# Altium PCB PCB1.PcbDoc (part 1 of 2)
Units mm, origin at the board's own origin, x right, y up, seen from the top; angles counter-clockwise.
Board outline 105 x 80 mm, 4 copper layers (Top Layer, IN1, IN2, Bottom Layer), stack 1.52 mm thick; 193 components, 166 nets, 814 pads, 414 vias.
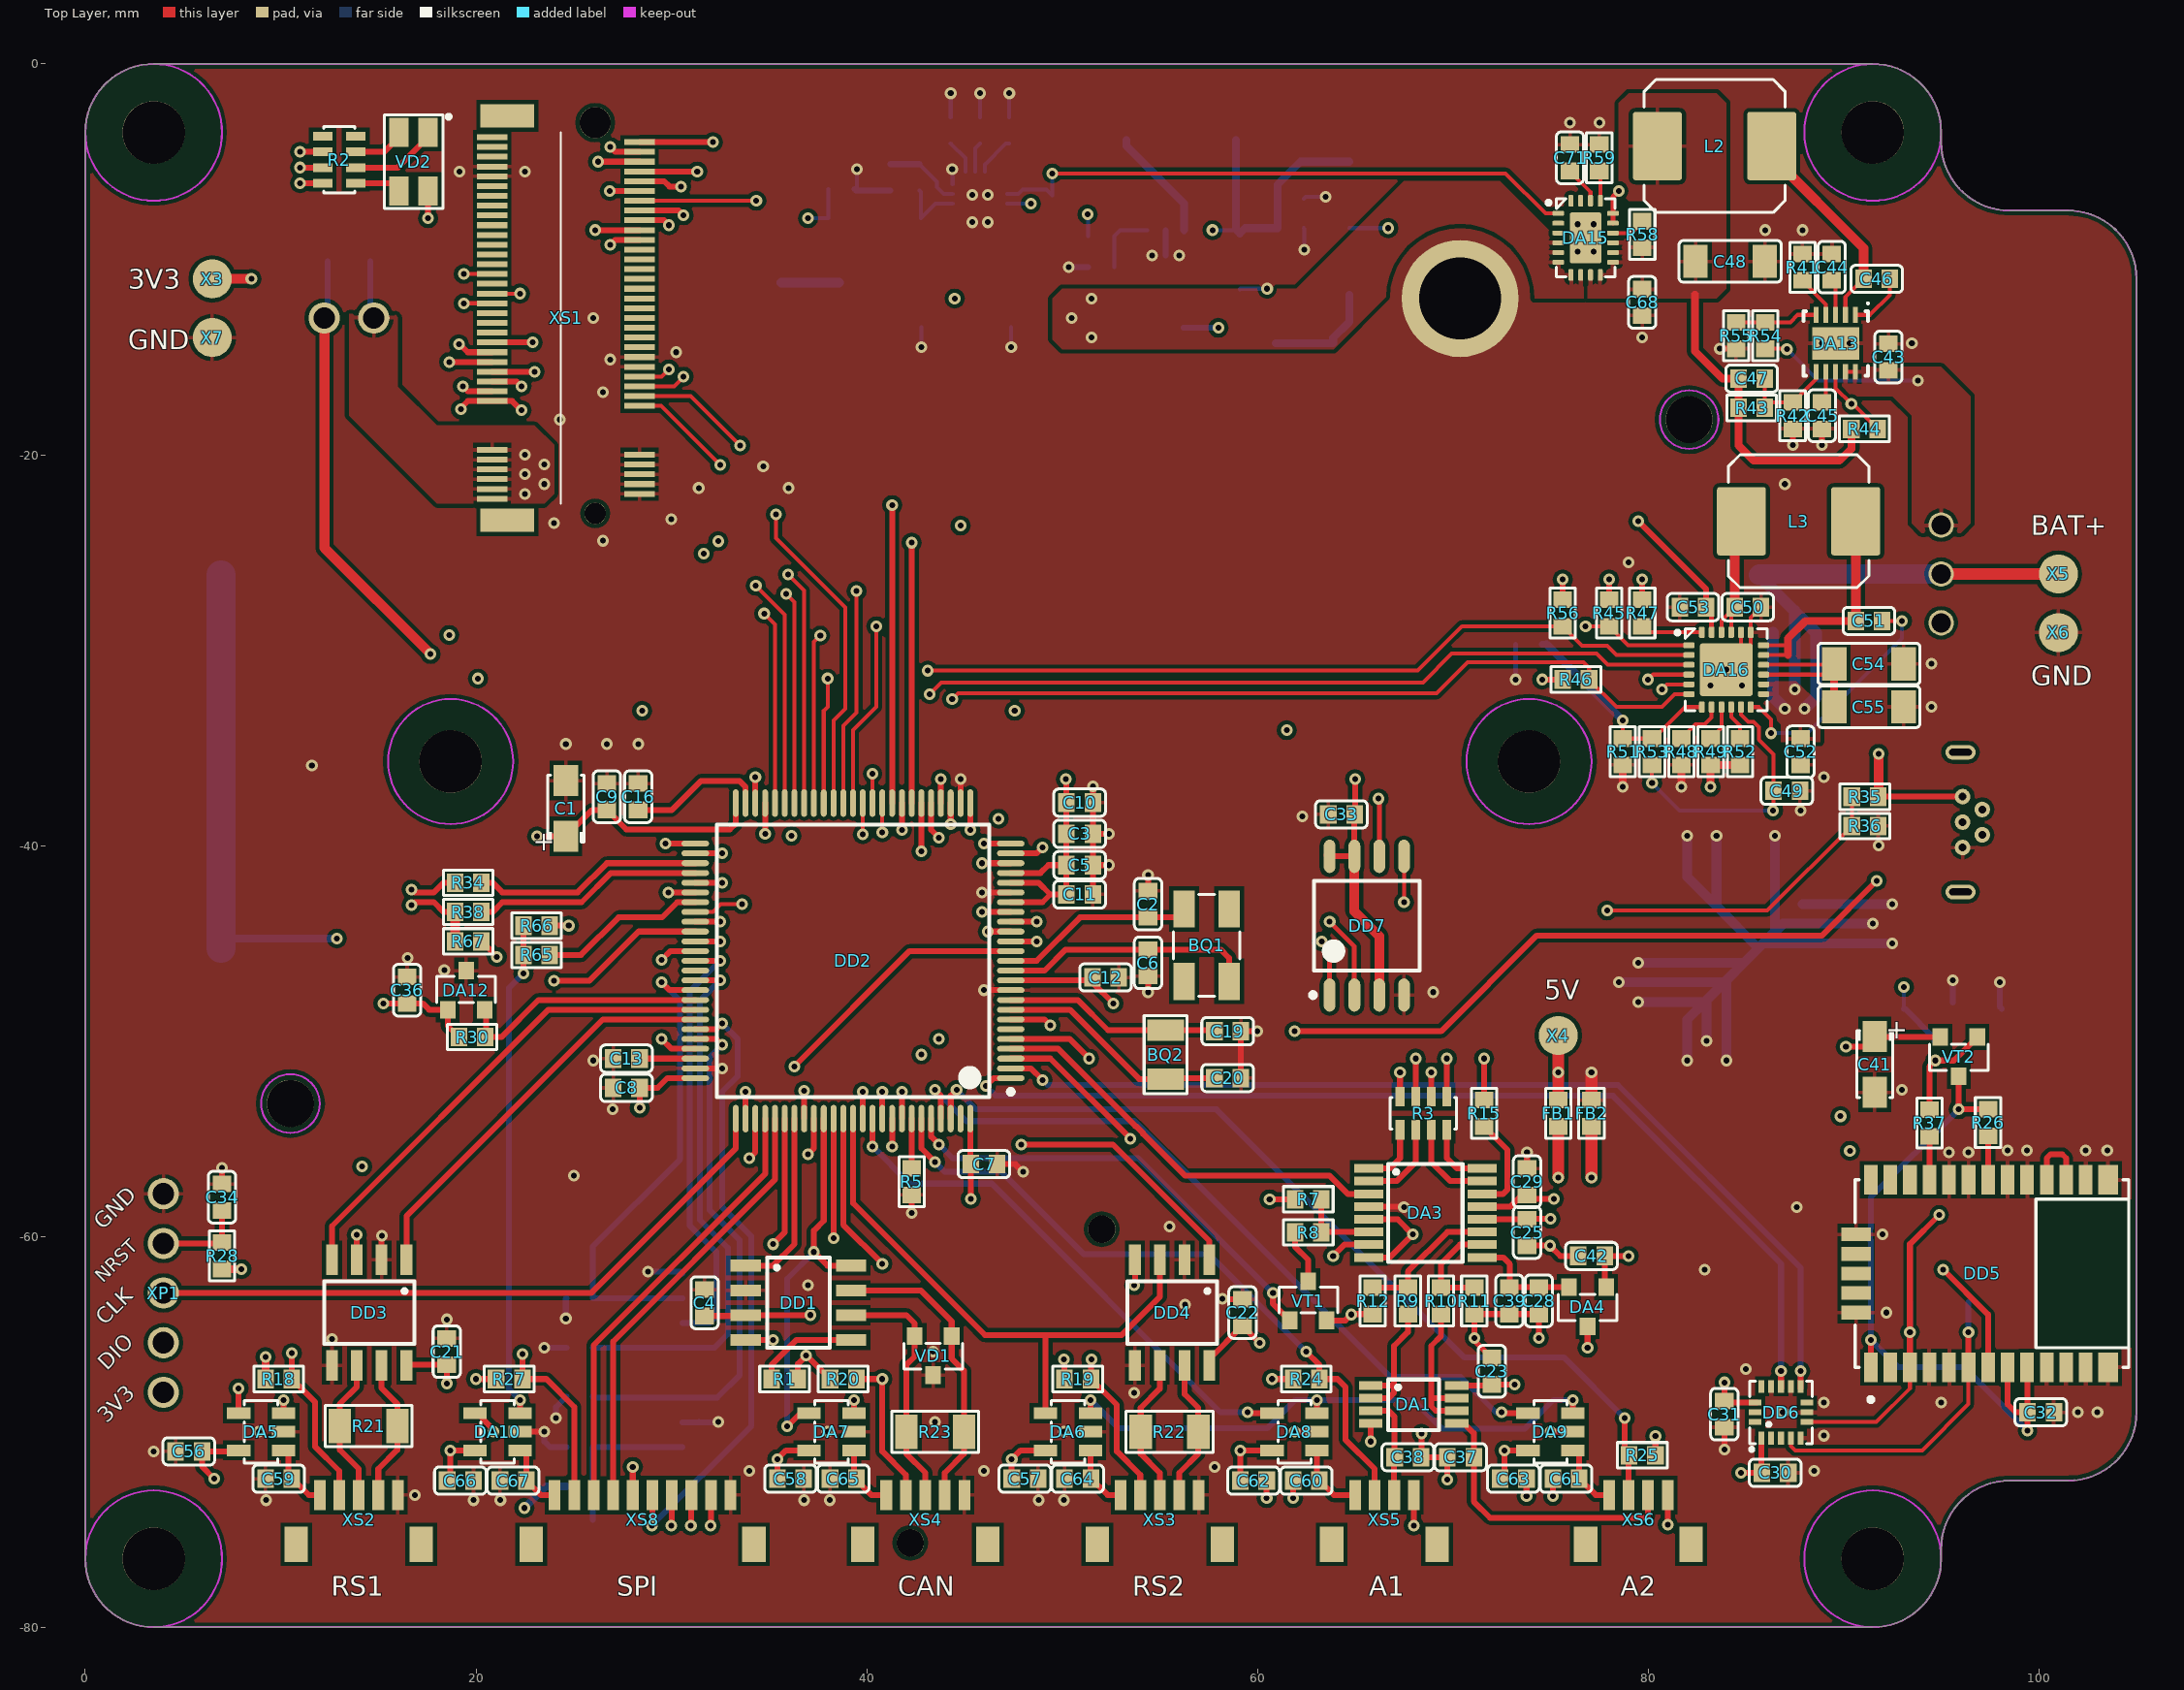
[diagram p0: Top Layer view]
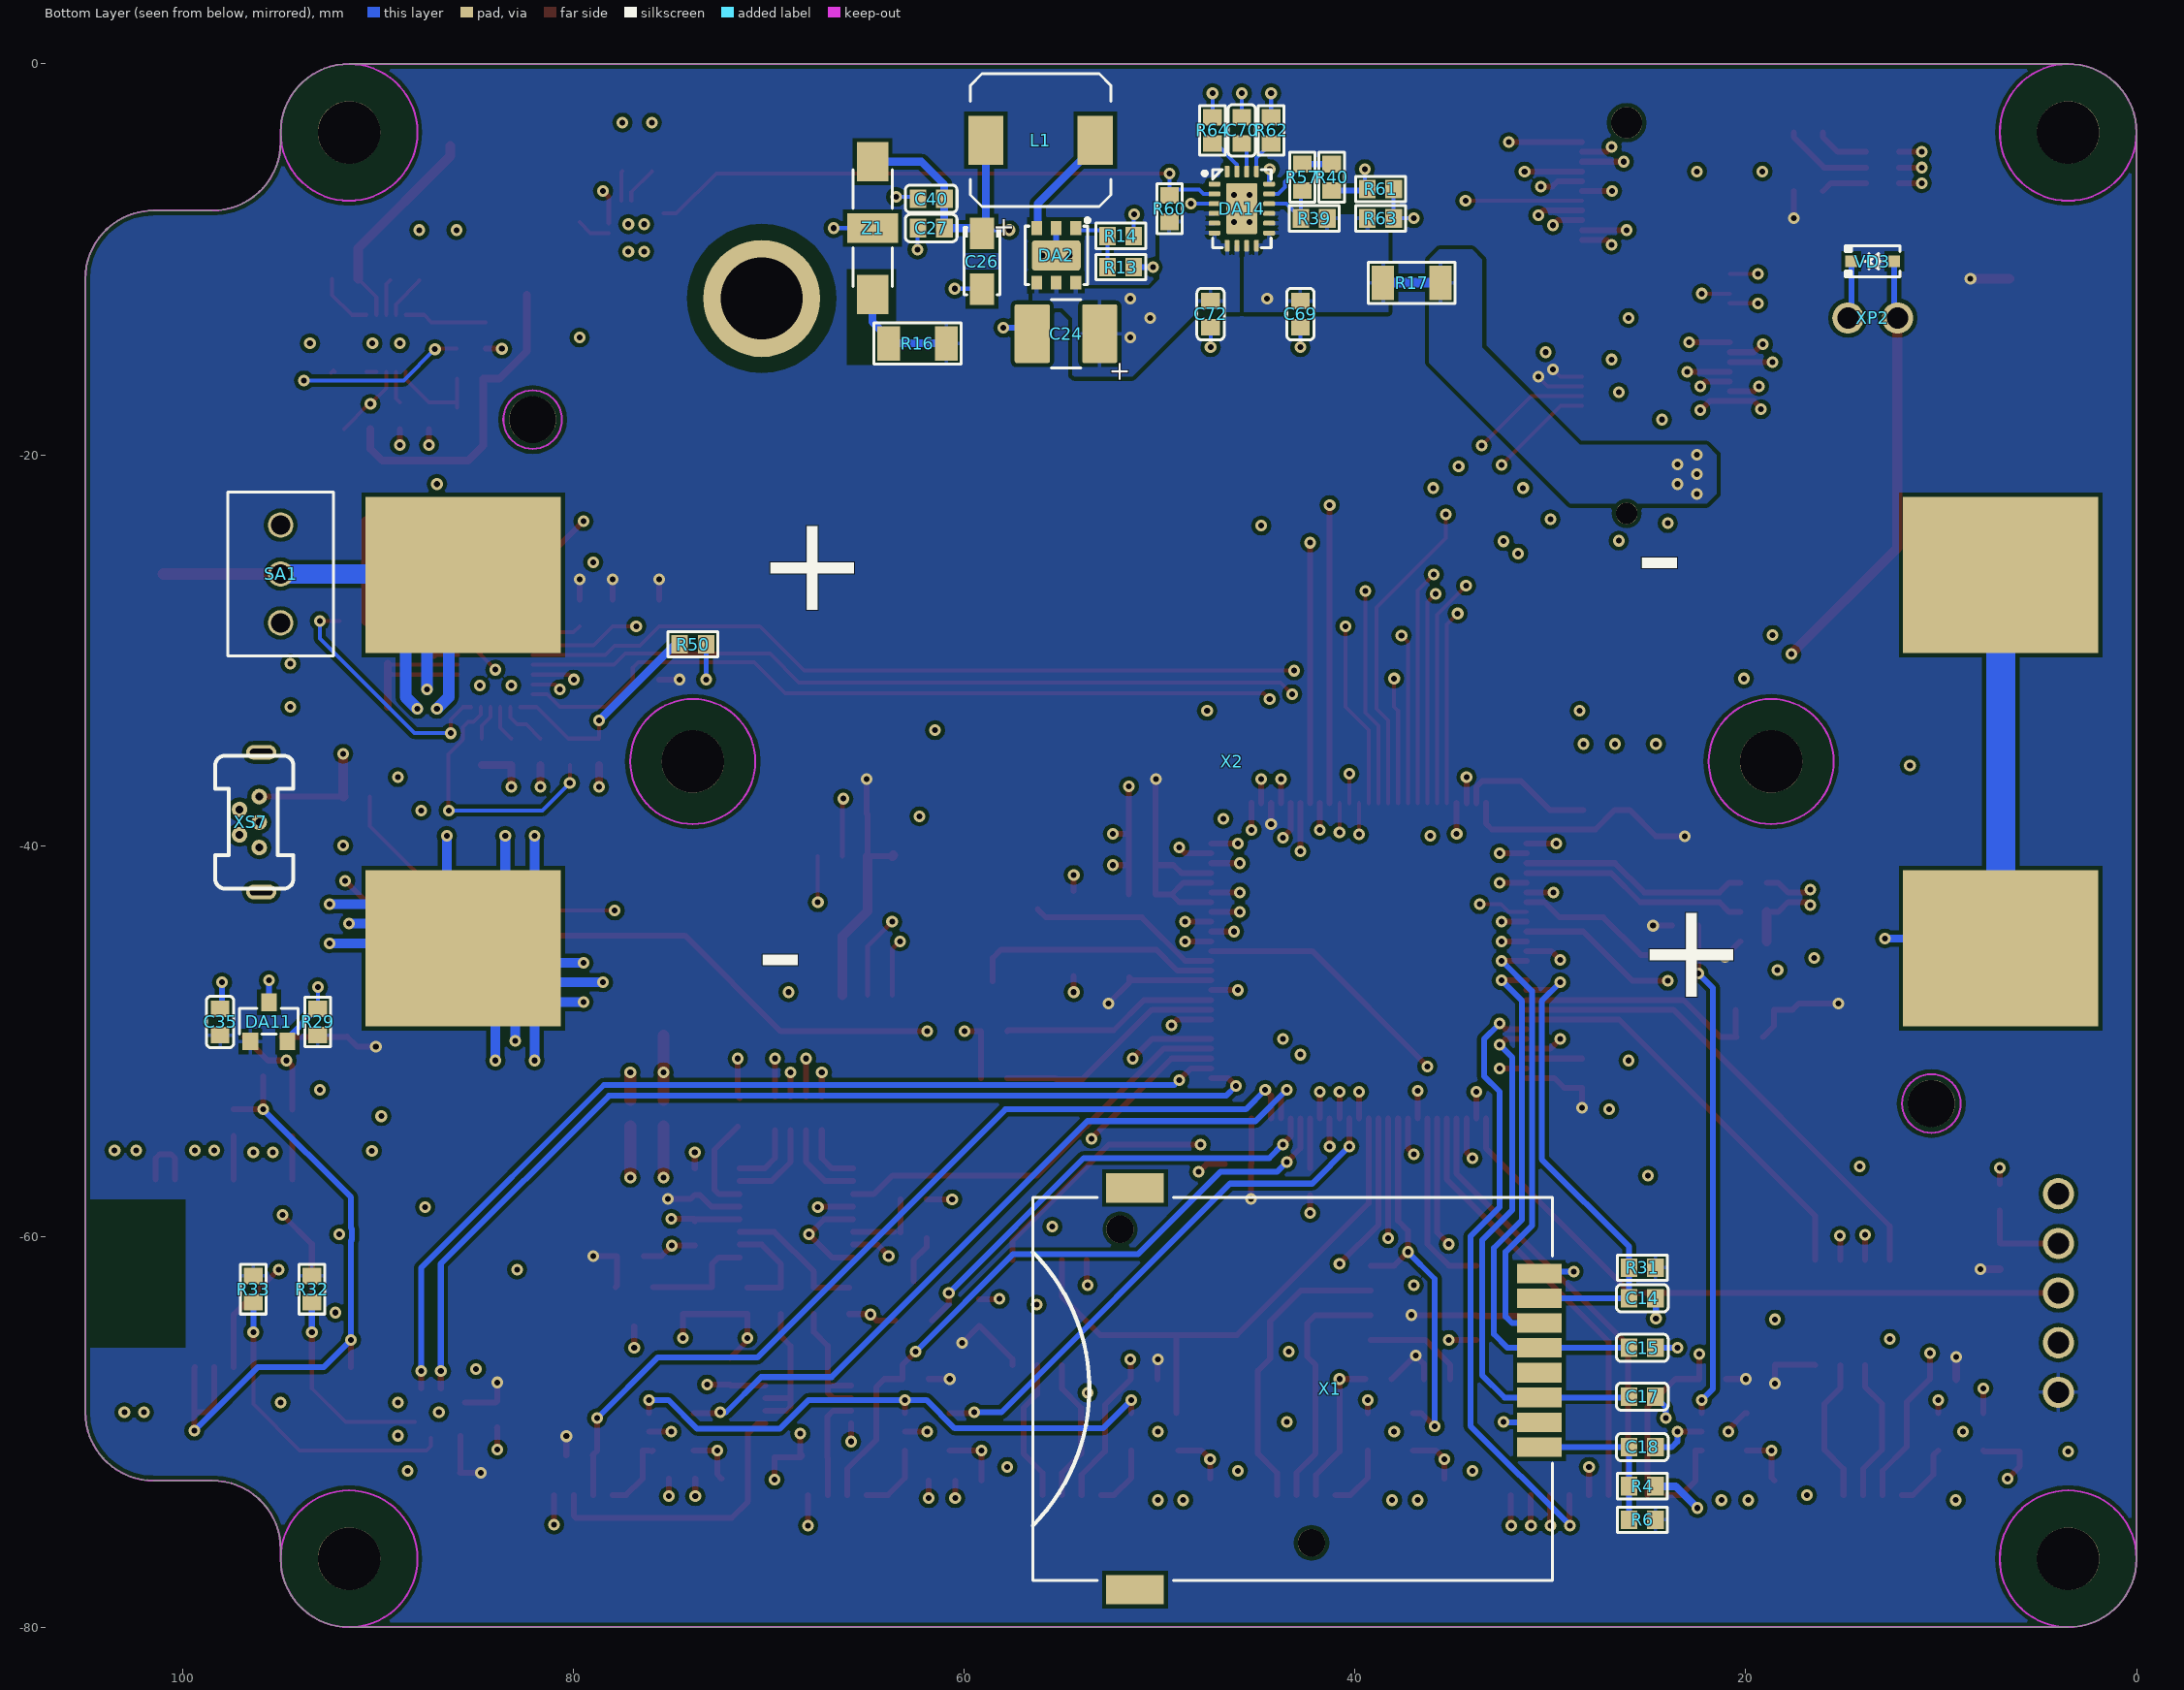
[diagram p1: Bottom Layer view, seen from below]
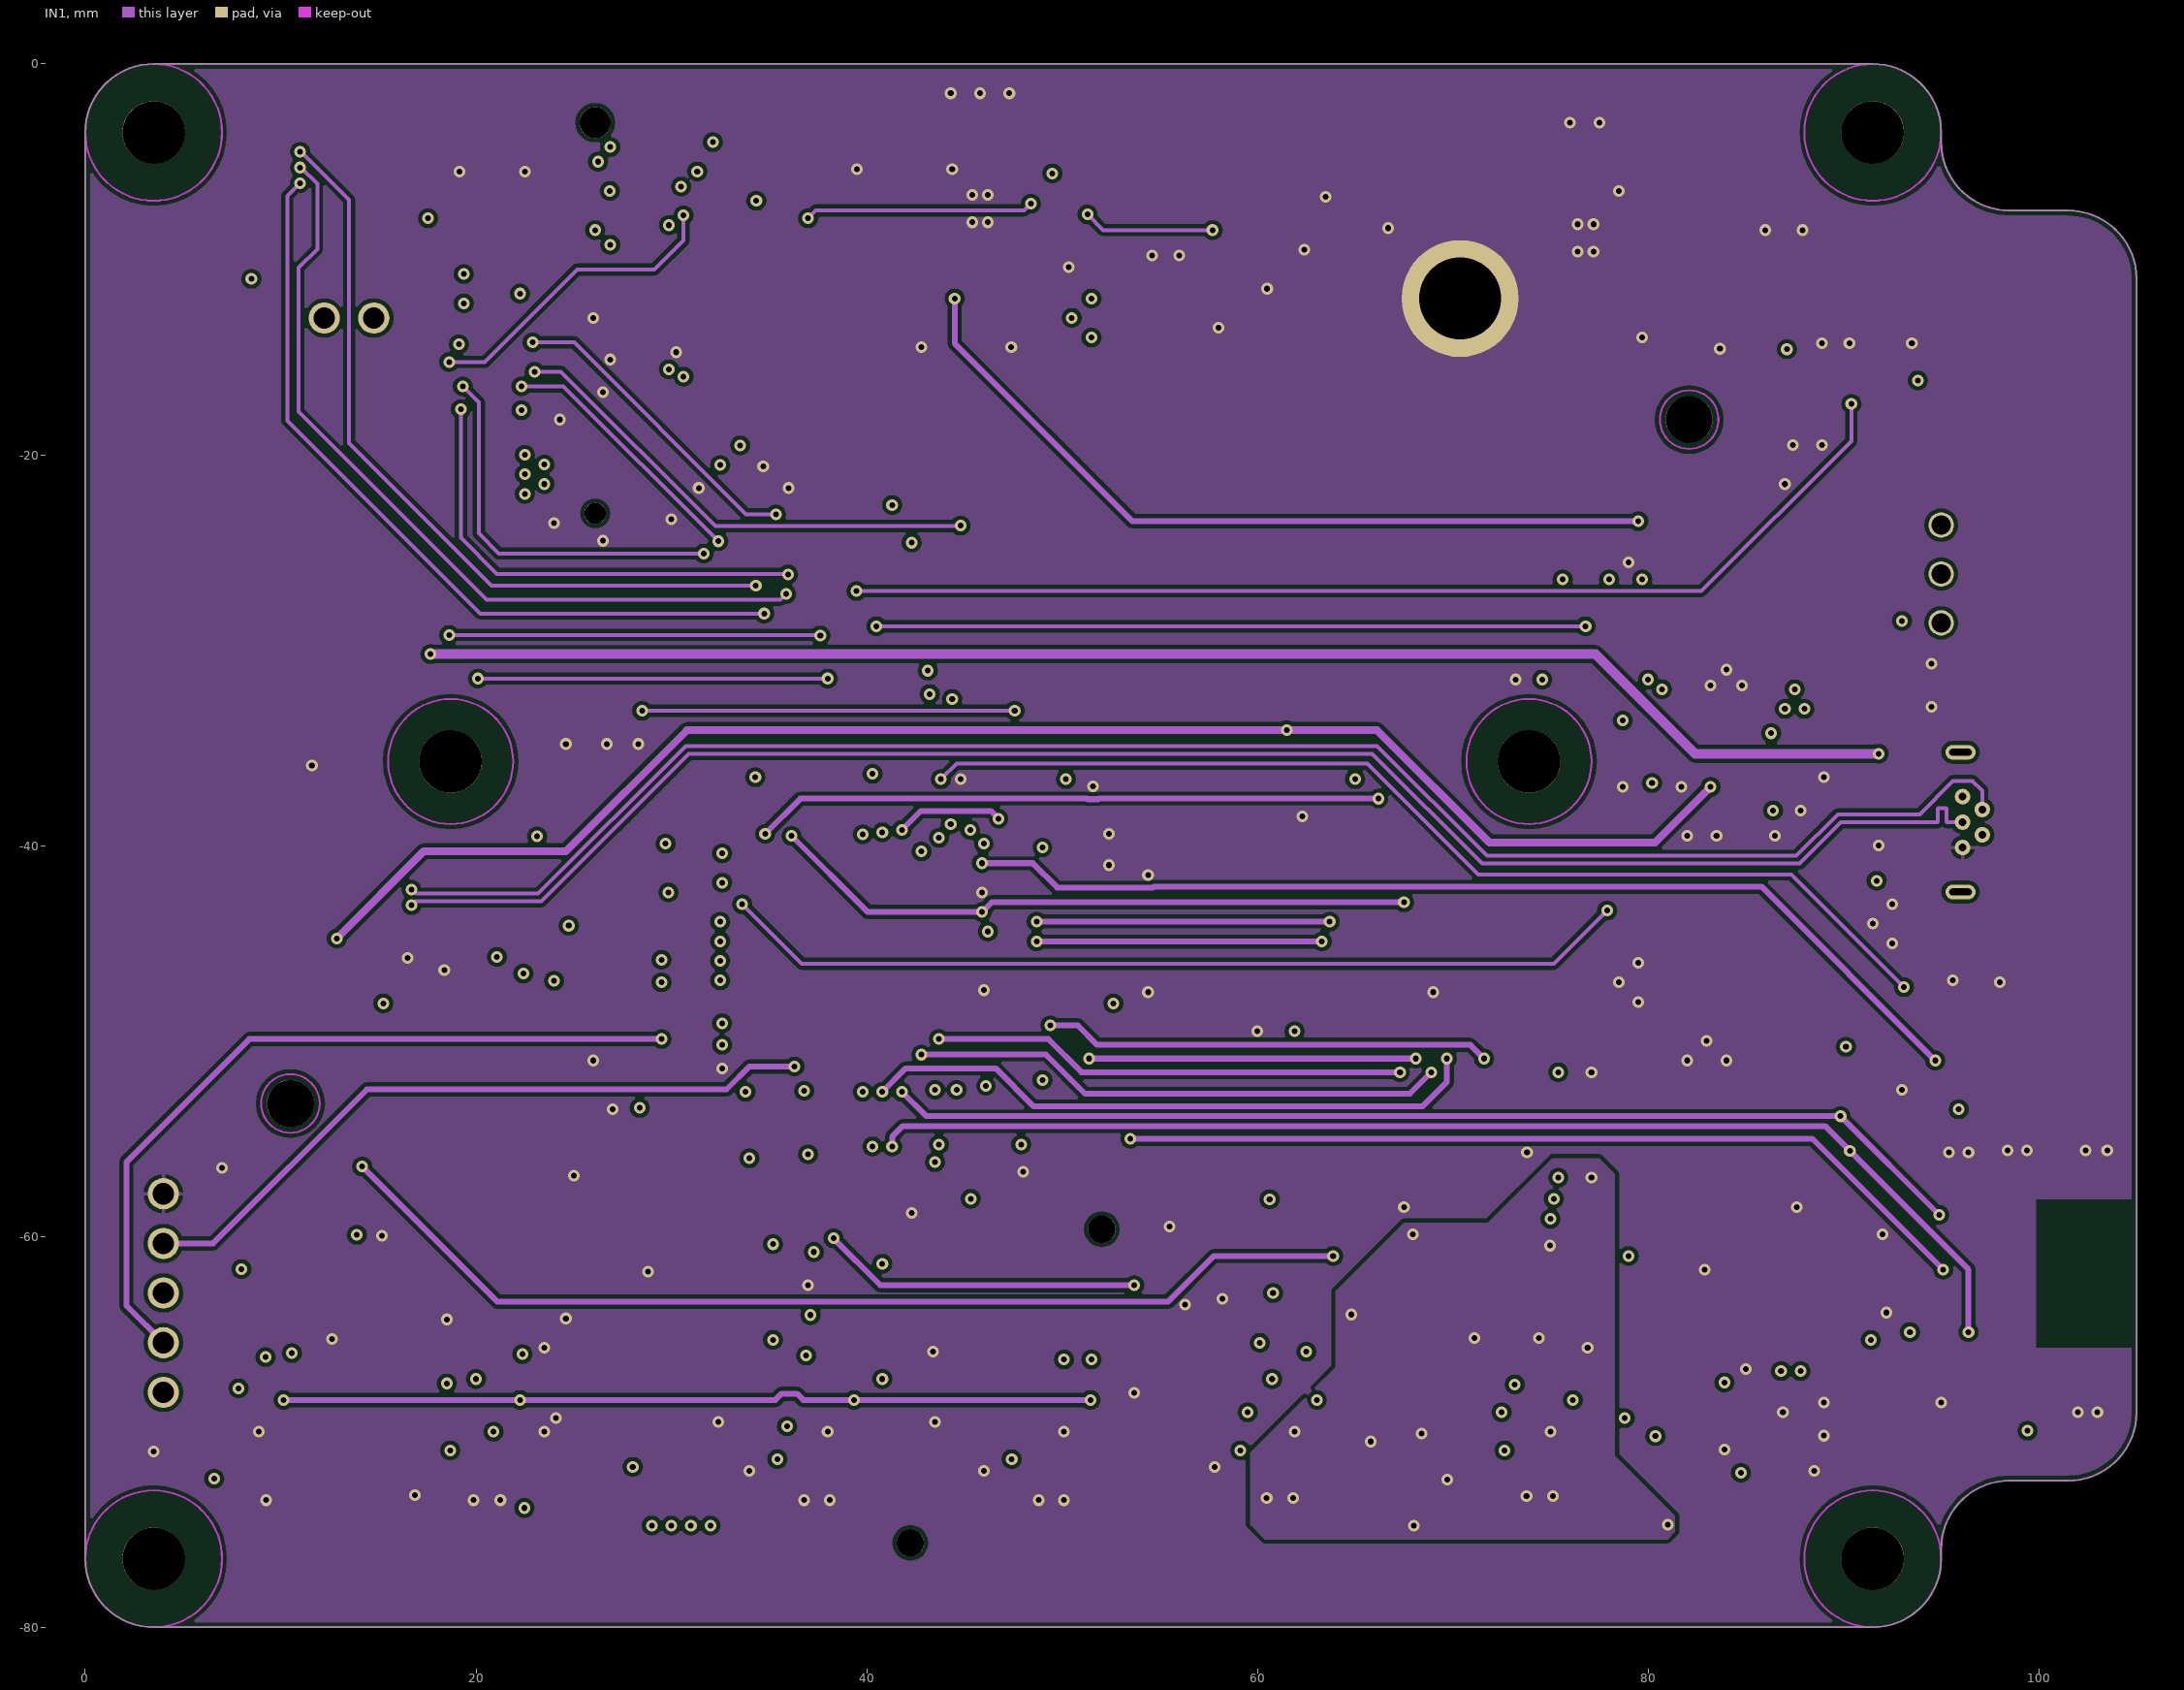
[diagram p2: IN1]